# Altium PCB LimeSDR-X3_1v0.PcbDoc (part 19 of 25)
Units mm, origin at the board's own origin, x right, y up, seen from the top; angles counter-clockwise.
Board outline 232.5 x 111.15 mm, 12 copper layers (Top, L2, L3, L4, L5, L6, L7, L8, L9, L10, L11, Bottom), stack 1.596 mm thick; 2057 components, 1391 nets, 8880 pads, 3657 vias.
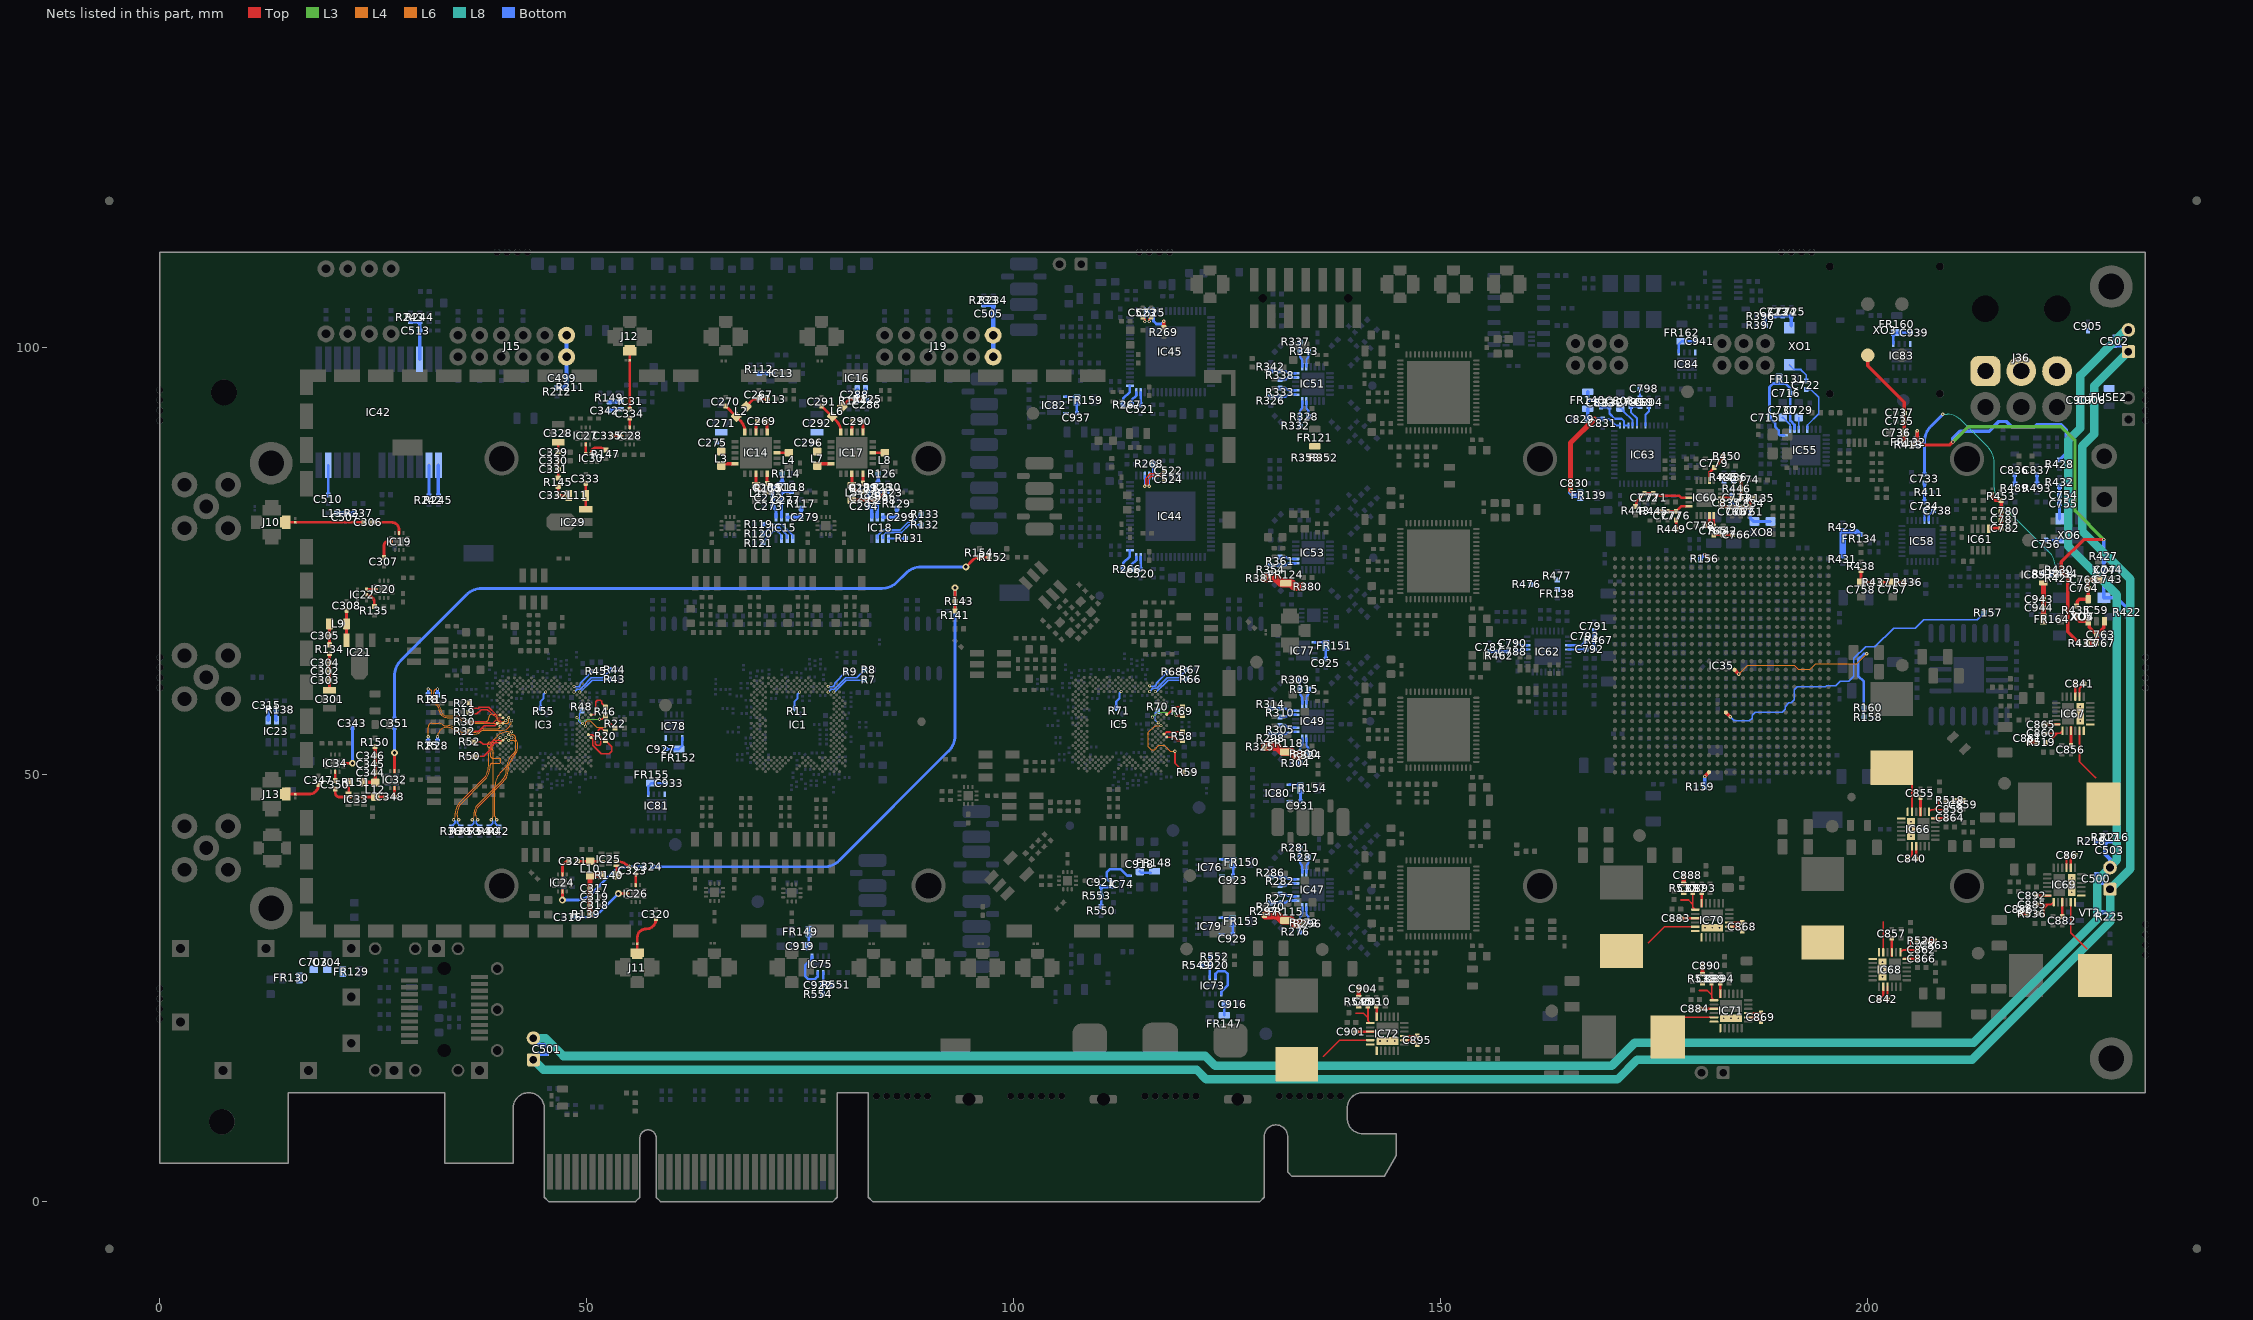
[diagram p29: the nets of this part, all layers, seen from the top]

## Via types
v1: diameter 0.4, hole 0.2, Top to Bottom, tented both sides, 3068 vias
v2: diameter 0.35, hole 0.2, Top to Bottom, tented both sides, 272 vias
v3: diameter 0.5, hole 0.2, Top to Bottom, tented bottom, 196 vias
v4: diameter 0.5, hole 0.2, Top to Bottom, tented both sides, 102 vias
v5: diameter 0.8, hole 0.4, Top to Bottom, tented both sides, 13 vias
v6: diameter 0.4, hole 0.2, Top to Bottom, tented top, 6 vias

## Nets (pads, with @x,y where several pads share a name; then routed paths per layer and width w, separated by ;. In a path a pad name is that pad's centre, name@x,y a point inside that pad or via, vN(x,y) a via of type N, cw(c..) or ccw(c..) an arc to the next point about the centre after c; other vN are vias at no path point) (continued)
NetC267_2: C267.2 L2.1 R113.1 | length 2.8
  Top w0.325: L2.1@68.675,93.132 69.521,93.979 C267.2@70.109,93.979 R113.1@71.159,93.979
NetC268_1: C268.1 IC14.5 | length 0.9
  Top w0.325: C268.1@71.097,84.342 IC14.5@71.097,85.23
NetC268_2: C268.2 IC14.3 L1.2 | length 2.9
  Top w0.325: IC14.3@69.797,85.23 69.797,83.842 70.116,83.524 ccw(c71.097,84.505) C268.2@71.097,83.117
NetC269_1: C269.1 IC14.13 | length 1.3
  Top w0.325: IC14.13@69.797,90.13 69.797,91.018 cw(c70.31,91.018) C269.1@69.947,91.38
NetC269_2: C269.2 IC14.11 | length 1.3
  Top w0.325: C269.2@70.947,91.38 cw(c70.585,91.018) 71.097,91.018 IC14.11@71.097,90.13
NetC270_1: C270.1 IC14.15 L2.2 | length 3.9
  Top w0.325: C270.1@66.247,93.155 L2.2@67.472,91.93 67.997,91.405 cw(c66.79,90.198) 68.497,90.198 IC14.15@68.497,90.13
NetC271_3: C271.3 C275.1 L3.2
  other v1: 65.75,88.655 65.75,89.13
NetC272_2: C272.2 C273.1 IC15.1 R114.1 R115.1 R116.1 | length 5.8
  Bottom w0.4: IC15.1@72.133,80.144 72.133,81.03 C273.1@71.759,81.404 C272.2@71.759,82.404 R115.1@71.759,83.454 72.359,84.054 72.759,84.054 R116.1@72.859,84.154 ; R116.1@72.859,84.351 R114.1@72.859,85.247
NetC277_1: C277.1 IC15.2 R116.2 R118.2 | length 4.1
  Bottom w0.4: IC15.2@72.783,80.144 72.783,83.078 R116.2@72.859,83.154 R118.2@73.959,83.154
NetC279_1: C279.1 IC15.3 IC15.4 R117.2 | length 2.7
  Bottom w0.4: IC15.3@73.433,80.144 IC15.4@74.083,80.144 C279.1@75.07,80.144 R117.2@75.069,81.189
NetC285_2: C285.2 L5.1 R123.1 | length 4.2
  Top w0.325: L5.1@81.024,82.142 C285.2@83.773,82.142 83.866,82.234 83.906,82.275 84.101,82.275 R123.1@84.826,83
NetC286_1: C286.1 IC16.4 | length 1.4
  Bottom w0.4: IC16.4@82.6,95.1 82.6,93.95 C286.1@82.75,93.8
NetC288_2: C288.2 L6.1 R125.1 | length 2.8
  Top w0.325: L6.1@79.901,93.132 80.747,93.979 C288.2@81.335,93.979 R125.1@82.385,93.979
NetC289_1: C289.1 IC17.5 | length 0.9
  Top w0.325: C289.1@82.324,84.342 IC17.5@82.324,85.23
NetC289_2: C289.2 IC17.3 L5.2 | length 2.9
  Top w0.325: IC17.3@81.024,85.23 L5.2@81.024,83.842 81.342,83.524 ccw(c82.324,84.505) C289.2@82.324,83.117
NetC290_1: C290.1 IC17.13 | length 1.3
  Top w0.325: IC17.13@81.024,90.13 81.024,91.018 cw(c81.536,91.018) C290.1@81.174,91.38
NetC290_2: C290.2 IC17.11 | length 1.3
  Top w0.325: C290.2@82.173,91.38 cw(c81.811,91.018) 82.324,91.018 IC17.11@82.324,90.13
NetC291_1: C291.1 IC17.15 L6.2 | length 3.9
  Top w0.325: C291.1@77.474,93.155 L6.2@78.698,91.93 79.224,91.405 cw(c78.016,90.198) 79.723,90.198 IC17.15@79.723,90.13
NetC292_3: C292.3 C296.1 L7.2
  other v1: 76.976,88.655 76.976,89.13
NetC293_2: C293.2 C294.1 IC18.1 R126.1 R127.1 R128.1 | length 5.8
  Bottom w0.4: IC18.1@83.36,80.144 83.36,81.03 C294.1@82.985,81.404 C293.2@82.985,82.404 R127.1@82.985,83.454 83.188,83.454 84.085,84.351 R126.1@84.085,85.248
NetC298_1: C298.1 IC18.2 R128.2 R130.2 | length 4.1
  Bottom w0.4: IC18.2@84.01,80.144 84.01,83.078 R128.2@84.085,83.154 R130.2@85.185,83.154
NetC299_1: C299.1 IC18.3 IC18.4 R129.2 | length 2.7
  Bottom w0.4: IC18.3@84.66,80.144 IC18.4@85.31,80.144 C299.1@86.296,80.144 R129.2@86.296,81.189
NetC301_3: C301.3 C302.1 C303.2 C304.1 R134.1 | length 4.3
  Top w0.4: C301.3@19.854,59.877 C303.2@19.854,61.052 C302.1@19.854,62.101 C304.1@19.854,63.102 R134.1@19.854,64.202
NetC305_1: C305.1 L9.1 R134.2 | length 2.5
  Top w0.4: R134.2@19.854,65.202 L9.1@19.854,67.652
NetC306_1: C306.1 IC19.5 | length 4.1
  Top w0.325: C306.1@24.897,79.548 27.108,79.548 cw(c27.108,78.651) 28.004,78.651 IC19.5@28.004,78.289 IC19.5@28.004,78.164
NetC306_2: C306.2 ESD10.1 J10.1 | length 9.2
  Top w0.325: J10.1@14.696,79.548 J10.1@14.771,79.548 ESD10.1@15.846,79.548 C306.2@23.897,79.548
NetC307_2: C307.2 IC19.8 | length 2.6
  Top w0.325: C307.2@26.229,75.414 26.229,76.827 cw(c26.691,76.827) 26.691,77.289 IC19.8@27.004,77.289 IC19.8@27.129,77.289
NetC308_2: C308.2 IC21.3 L9.2 | length 3.5
  Top w0.325: IC21.3@21.854,65.752 L9.2@21.854,67.652 C308.2@21.854,69.252
NetC315_1: C315.1 IC23.4 | length 1.4
  Bottom w0.4: C315.1@12.523,57.652 C315.1@12.523,57.602 12.675,57.45 IC23.4@12.675,56.362
NetC316_1: C316.1 IC26.8 | length 7.6
  Top w0.325: v5(53.684,36.069) IC26.8@54.709,36.069 IC26.8@54.834,36.069
  Bottom w0.325: C316.1@48.3,33.3 49.863,33.3 ccw(c49.863,35.84) 51.659,34.044 v5(53.684,36.069)
NetC317_1: C317.1 C318.2 C319.1 L10.1 R139.2 R140.2 | length 5.9
  Top w0.6: R139.2@50.377,33.632 50.377,34.682 50.377,35.682 50.377,36.682 L10.1@50.377,38.151 ; L10.1@50.377,38.201 R140.2@51.777,38.201
NetC320_2: C320.2 ESD11.1 J11.1 | length 5.4
  Top w0.325: J11.1@55.892,29.046 J11.1@55.892,29.121 ESD11.1@55.892,30.196 55.892,30.896 cw(c56.922,30.896) 56.922,31.925 ccw(c56.922,33.094) 58.091,33.094 C320.2@58.091,33.157
NetC321_1: C321.1 IC24.2 | length 2.1
  Top w0.325: IC24.2@47.127,38.201 IC24.2@47.127,38.326 47.127,39.101 cw(c47.877,39.101) C321.1@47.877,39.851
NetC321_2: C321.2 IC25.7 L10.2 | length 3.1
  Top w0.325: C321.2@48.877,39.851 L10.2@50.377,39.851 IC25.7@51.677,39.851 IC25.7@51.952,39.851
NetC323_1: C323.1 IC25.2 | length 1.8
  Top w0.325: IC25.2@53.477,39.851 cw(c53.477,37.98) 54.8,39.303 C323.1@55.002,39.101
NetC323_2: C323.2 IC26.5 | length 1.5
  Top w0.325: IC26.5@55.709,36.944 IC26.5@55.709,37.069 C323.2@55.709,38.394
NetC324_1: C324.1 R141.1 R143.2 | length 62.2
  Top w0.325: R141.1@93.1,69.175 v5(93.1,71.882)
  Bottom w0.325: C324.1@57.7,39.2 77.748,39.2 ccw(c77.748,41.74) 79.544,39.944 92.356,52.756 ccw(c90.56,54.552) 93.1,54.552 v5(93.1,71.882)
NetC324_2: C324.2 IC24.8 | length 12.1
  Top w0.325: v5(47.127,35.301) IC24.8@47.127,36.326 IC24.8@47.127,36.451
  Bottom w0.325: v5(47.127,35.301) 48.724,35.301 ccw(c48.724,37.841) 50.52,36.045 52.931,38.456 cw(c54.727,36.66) 54.727,39.2 C324.2@56.7,39.2
NetC328_3: C328.3 C329.2 C330.1 C331.1 R145.1 | length 4.2
  Top w0.325: R145.1@46.636,84.744 C328.3@46.636,88.919
NetC332_1: C332.1 L11.1 R145.2 | length 2.3
  Top w0.325: R145.2@46.636,83.745 C332.1@46.636,82.695 L11.1@47.861,82.695
NetC333_2: C333.2 IC29.3 L11.2 | length 3
  Top w0.325: IC29.3@49.861,81.07 L11.2@49.861,82.695 C333.2@49.861,84.119
NetC334_1: C334.1 IC28.5 | length 1.2
  Top w0.325: IC28.5@55.011,90.545 IC28.5@55.011,90.67 C334.1@55.011,91.745
NetC334_2: C334.2 ESD12.1 J12.1 | length 6.9
  Top w0.325: C334.2@55.021,92.744 ESD12.1@55.021,98.504 J12.1@55.021,99.579 J12.1@55.021,99.654
NetC335_2: C335.2 IC28.8 | length 1.2
  Top w0.325: C335.2@52.936,89.67 IC28.8@54.011,89.67 IC28.8@54.136,89.67
NetC342_1: C342.1 IC31.4 | length 1.4
  Bottom w0.4: C342.1@52.56,92.6 C342.1@52.61,92.6 52.762,92.752 IC31.4@53.85,92.752
NetC343_1: C343.1 IC34.8 | length 5.5
  Top w0.325: IC34.8@21.391,51.332 IC34.8@21.516,51.332 v5(22.541,51.332)
  Bottom w0.325: v5@22.491,51.452 ccw(c22.662,51.452) v5(22.541,51.332) 22.541,51.452 C343.1@22.541,55.525
NetC344_1: C344.1 C345.2 C346.1 L12.1 R150.2 R151.2 | length 5.6
  Top w0.4: R151.2@23.841,49.082 L12.1@25.191,49.082 C345.2@25.191,51.232 C346.1@25.191,52.232 R150.2@25.191,53.282
NetC347_2: C347.2 ESD13.1 J13.1 | length 4.4
  Top w0.325: J13.1@14.771,47.716 ESD13.1@15.846,47.716 17.466,47.716 ccw(c17.466,48.825) C347.2@18.575,48.825
NetC348_1: C348.1 IC32.2 | length 1.1
  Top w0.325: C348.1@27.466,47.382 IC32.2@27.466,48.407 IC32.2@27.466,48.532
NetC348_2: C348.2 IC33.7 L12.2 | length 2.9
  Top w0.325: IC33.7@23.616,47.382 IC33.7@23.891,47.382 L12.2@25.191,47.382 C348.2@26.466,47.382
NetC350_1: C350.1 IC33.2 | length 2.6
  Top w0.325: C350.1@20.516,48.307 20.516,47.882 ccw(c21.016,47.882) 21.016,47.382 IC33.2@22.091,47.382 IC33.2@22.366,47.382
NetC350_2: C350.2 IC34.5 | length 1.1
  Top w0.325: C350.2@20.516,49.307 IC34.5@20.516,50.332 IC34.5@20.516,50.457
NetC351_1: C351.1 R152.1 R154.2 | length 80.5
  Top w0.325: v5(94.375,74.325) 95.175,75.125 cw(c95.959,74.341) R154.2@95.959,75.45 R152.1@97.059,75.45
  Bottom w0.325: C351.1@27.466,56.525 27.466,61.589 cw(c30.006,61.589) 28.21,63.385 35.881,71.056 cw(c37.677,69.26) 37.677,71.8 84.523,71.8 ccw(c84.523,74.34) 86.319,72.544 87.356,73.581 cw(c89.152,71.785) 89.152,74.325 v5(94.375,74.325)
NetC351_2: C351.2 IC32.8 | length 5.2
  Top w0.325: IC32.8@27.466,50.282 IC32.8@27.466,50.407 v5(27.466,52.557)
  Bottom w0.325: v5(27.466,52.557) C351.2@27.466,55.525
NetC499_1: C499.1 J15.6 J15.12 R211.1 R212.2 | length 7.2
  Bottom w0.5: R212.2@46.511,95.35 R211.1@47.611,95.35 C499.1@47.611,96.4 J15.6@47.611,98.904 J15.12@47.611,101.446
NetC500_1: C500.1 C501.1 C502.1 C503.1 J16.2 J17.2 J18.2 R216.1 R217.1 R218.1 | length 278.2
  L8 w1: J16.2@43.725,19.145 45.155,19.145 47.25,17.05 122.4,17.05 123.55,15.9 170,15.9 172.7,18.6 212.375,18.6 226.825,33.05 226.825,37.595 J18.2@228.35,39.12 228.35,39.231 229.125,40.006 229.125,71.075 223.475,76.725 223.475,89.175 224.875,90.575 224.875,96.75 230.193,102.068 J17.2@230.5,102.068
  Bottom w0.5: J16.2@43.736,19.145 44.556,18.325 C501.1@45.314,18.325 ; R218.1@226.725,42.175 R217.1@227.825,42.175 ; C500.1@226.75,38.3 227.507,38.3 228.327,39.12 J18.2@228.35,39.12 228.35,40.125 227.828,40.647 227.828,41.125 C503.1@227.825,41.125 R217.1@227.825,42.175 ; C502.1@228.911,101.248 229.669,101.248 J17.2@230.489,102.068 ; R216.1@228.925,42.175 R217.1@227.825,42.175
NetC500_2: C500.2 C501.2 C502.2 J16.1 J17.1 J18.1 R225.2 VT2.D | length 275.2
  L8 w1: J16.1@43.725,16.605 44.88,15.45 121.375,15.45 122.525,14.3 170.663,14.3 172.963,16.6 212.2,16.6 228.35,32.75 J18.1@228.35,36.58 230.725,38.955 230.725,72.888 225.075,78.538 225.075,88.45 226.475,89.85 226.475,95.503 J17.1@230.5,99.528
  Bottom w0.5: J16.1@43.714,16.605 44.434,17.325 C501.2@45.314,17.325 ; C500.2@226.75,37.3 227.63,37.3 J18.1@228.35,36.58 R225.2@228.35,33.85 VT2.D@227.1,33.85 ; C502.2@228.911,100.248 229.791,100.248 J17.1@230.511,99.528
NetC505_1: C505.1 J19.6 J19.12 R233.1 R234.2 | length 7.2
  Bottom w0.5: R233.1@96.47,105.02 R234.2@97.57,105.02 C505.1@97.57,103.97 J19.12@97.57,101.446 J19.6@97.57,98.923
NetC507_2: C507.2 L13.2 R237.2 | length 2.1
  Bottom w0.4: L13.2@20.7,80.625 C507.2@21.725,80.625 R237.2@22.775,80.625
NetC510_2: C510.2 IC42.11 | length 3.5
  Bottom w0.325: C510.2@19.7,82.725 IC42.11@19.7,86.225
NetC513_1: C513.1 IC42.22 R243.1 R244.1 | length 5.5
  Bottom w0.4: R243.1@29.325,103.05 R244.1@30.425,103.05 30.425,98.65 IC42.22@30.4,98.625
NetC520_2: C520.2 IC44.16 | length 1.5
  Bottom w0.3: C520.2@114.827,74.027 IC44.16@114.828,75.503
NetC521_2: C521.2 IC45.16 | length 1.5
  Bottom w0.3: C521.2@114.827,93.302 IC45.16@114.828,94.778
NetC522_1: C522.1 IC44.37 | length 4.8
  Top w0.2: v1(115.328,83.778) 115.425,83.875 115.425,84.675 115.971,85.221 117.306,85.221 C522.1@117.65,85.564
  Bottom w0.254: v1(115.328,83.778) IC44.37@115.328,85.003
NetC523_1: C523.1 IC45.37 | length 1.9
  Top w0.25: C523.1@115.078,103.603 115.328,103.353 v1(115.328,103.053)
  Bottom w0.254: v1(115.328,103.053) IC45.37@115.328,104.278
NetC524_1: C524.1 IC44.38 | length 4.3
  Top w0.2: v1(115.828,83.778) 115.725,83.881 115.725,84.551 116.095,84.921 117.306,84.921 C524.1@117.65,84.577
  Bottom w0.254: v1(115.828,83.778) IC44.38@115.828,85.003
NetC525_1: C525.1 IC45.38 | length 1.9
  Top w0.25: v1(115.828,103.053) 115.828,103.353 C525.1@116.078,103.603
  Bottom w0.254: v1(115.828,103.053) IC45.38@115.828,104.278
NetC703_2: C703.2 C704.2 FR129.2 FR130.1
NetC715_2: C715.2 C716.2 FR131.2 IC55.16 IC55.18 | length 14.3
  Bottom w0.3: C715.2@188.475,91.8 188.475,95.375 188.9,95.8 190.325,95.8 190.925,95.2 C716.2@190.925,94.65 190.925,91.438 191.4,90.963 IC55.18@191.4,90.425 ; C715.2@188.625,91.65 189.125,91.15 189.125,90.75 189.55,90.325 189.55,89.901 189.726,89.725 IC55.16@190.2,89.725
NetC722_1: C722.1 IC55.21 | length 6.1
  Bottom w0.2: C722.1@192.775,95.1 193.3,95.1 194.225,94.175 194.225,92.25 192.918,90.943 192.918,90.443 IC55.21@192.9,90.425
NetC722_2: C722.2 XO1.3 | length 3.2
  Bottom w0.2: XO1.3@190.775,98 191.35,97.425 192.15,97.425 192.775,96.8 C722.2@192.775,96.1
NetC723_2: C723.2 C724.2 C725.1 R396.2 R397.1 XO1.4 | length 5.3
  Bottom w0.4: R397.1@187.975,102.6 R396.2@187.975,103.7 C723.2@189.025,103.7 C724.2@190.025,103.7 C725.1@191.025,103.7 XO1.4@191.025,102.55
NetC729_1: C729.1 IC55.19 | length 1.4
  Bottom w0.2: IC55.19@191.9,90.425 C729.1@191.9,91.825
NetC730_2: C730.2 IC55.17 | length 1.8
  Bottom w0.2: C730.2@190,91.825 190.043,91.825 190.9,90.968 IC55.17@190.9,90.425
NetC733_1: C733.1 C734.2 R411.2 | length 2.2
  Bottom w0.325: C734.2@206.625,81.95 C733.1@206.625,84.15
NetC733_2: C733.2 R412.1 R425.1 R430.2 R434.1 | length 33.4
  L8 w0.1: v1(208.775,92.2) 209.298,92.2 cw(c209.298,90.022) 210.839,91.561 214.031,88.369 cw(c212.235,86.573) 214.775,86.573 214.775,83.577 ccw(c217.315,83.577) 215.519,81.781 221.181,76.119 cw(c219.385,74.323) 221.925,74.323 v1(221.925,73.5)
  Bottom w0.325: C733.2@206.625,85.15 206.625,88.998 cw(c209.165,88.998) 207.369,90.794 v1(208.775,92.2) ; R412.1@221.425,73.5 v1(221.925,73.5) R425.1@222.425,73.5
NetC734_1: C734.1 IC58.13 | length 1.2
  Bottom w0.25: IC58.13@206.625,79.75 C734.1@206.625,80.95
NetC735_2: C735.2 C736.2 C737.1 R413.2 XO3.4 | length 12.2
  Top w0.4: XO3.4@199.975,99.1 199.975,97.9 204.25,93.625 C737.1@204.25,92.35 C735.2@204.25,91.35 C736.2@204.25,90.05 R413.2@204.25,88.65
NetC738_2: C738.2 IC58.14 | length 1.4
  Bottom w0.25: IC58.14@207.125,79.75 207.125,80.35 207.5,80.725 207.5,80.775 207.625,80.9 C738.2@207.675,80.9
NetC743_2: C743.2 C744.2 R422.2 R427.1 XO4.5 XO5.4 | length 7.6
  Bottom w0.4: R427.1@227.626,75.046 C744.2@227.626,73.996 C743.2@227.626,72.849 XO5.4@227.626,70.7 229.15,70.7 R422.2@230.35,69.5
NetC754_2: C754.2 C755.2 R432.2 XO6.9 | length 3.8
  Bottom w0.4: XO6.9@222.436,79.96 C755.2@222.436,81.71 C754.2@222.436,82.71 R432.2@222.436,83.76
NetC756_2: C756.2 XO6.7 | length 1.7
  Bottom w0.325: C756.2@220.875,77.45 XO6.7@222.596,77.45
NetC757_1: C757.1 R436.2 R437.1 | length 2.7
  Top w0.325: R437.1@201.55,72.525 C757.1@202.9,72.525 R436.2@204.225,72.525
NetC758_1: C758.1 R437.2 R438.2 | length 2.7
  Top w0.325: R438.2@199.2,73.9 C758.1@199.2,72.525 R437.2@200.55,72.525
NetC760_2: C760.2 C761.1 C762.1 FR135.2 IC60.6 IC60.7 | length 5
  Top w0.3: IC60.7@182.85,81.9 IC60.6@182.85,81.4 184,81.4 C760.2@184.1,81.3 C762.1@185.1,81.3 C761.1@186.1,81.3 186.1,81.35 186.2,81.45 186.2,82.1 FR135.2@186.475,82.375
NetC763_2: C763.2 C767.2 IC59.1 IC59.3 R433.2 R435.2 | length 8
  Top w0.4: R435.2@224.402,68.777 224.502,68.677 224.502,68.202 224.767,67.937 IC59.1@225.8,67.937 225.9,67.837 225.9,67.254 226.677,66.477 226.677,66.427 226.727,66.377 C763.2@226.777,66.377 ; R433.2@225.727,65.377 C767.2@226.777,65.377 C763.2@226.777,66.377 ; IC59.3@227.7,67.937 227.616,67.853 227.616,67.216 226.877,66.477 226.877,66.427 226.827,66.377 C763.2@226.777,66.377
NetC764_2: C764.2 C768.2 IC59.5 R435.1 XO7.4 | length 5.5
  Top w0.4: R435.1@224.402,69.697 224.502,69.797 224.502,70.272 224.767,70.537 IC59.5@225.8,70.537 225.8,71.827 225.8,72.825 C768.2@225.802,72.827 XO7.4@227.027,72.827
NetC765_1: C765.1 IC60.5 | length 1.3
  Top w0.3: C765.1@181.95,79.075 IC60.5@181.95,80.35
NetC765_2: C765.2 C766.1 R442.2 | length 2.2
  Top w0.3: C765.2@181.95,78.075 C766.1@184.15,78.075
NetC771_2: C771.2 C772.1 IC60.18 R443.1 | length 7.4
  Top w0.3: R443.1@172.786,81.415 172.862,81.491 172.862,81.941 173.686,82.765 173.736,82.765 173.836,82.865 C772.1@173.836,82.915 C771.2@174.861,82.915 174.861,82.865 174.961,82.765 175.011,82.765 175.101,82.675 177.876,82.675 178.151,82.4 IC60.18@179.05,82.4
NetC773_1: C773.1 C774.2 R446.2 | length 2.2
  Top w0.325: C773.1@185.15,82.4 R446.2@185.15,83.45 ; R446.2@185.15,83.5 R446.2@185.15,83.45 ; C774.2@185.15,84.5 R446.2@185.15,83.45
NetC773_2: C773.2 IC60.8 | length 1.3
  Top w0.3: IC60.8@182.85,82.4 C773.2@184.15,82.4
NetC776_1: C776.1 R449.2 | length 1.1
  Top w0.3: R449.2@177.536,78.715 C776.1@177.536,79.815
NetC776_2: C776.2 C777.2 IC60.20 R445.1 | length 3.8
  Top w0.3: C776.2@177.536,80.815 177.536,80.865 177.636,80.965 177.686,80.965 178.121,81.4 IC60.20@179.05,81.4
  Top w0.325: R445.1@175.486,80.815 C777.2@176.536,80.815 C776.2@177.536,80.815
NetC778_1: C778.1 IC60.4 | length 1.5
  Top w0.3: C778.1@180.9,79.125 180.95,79.125 181.05,79.225 181.05,79.275 181.45,79.675 IC60.4@181.45,80.35
NetC779_2: C779.2 IC60.12 R450.2 | length 3.3
  Top w0.3: IC60.12@181.45,84.45 181.45,85.4 C779.2@181.85,85.8 ; C779.2@182,85.95 182,86 182.1,86.1 182.15,86.1 182.9,86.85 182.9,87.1 R450.2@183.05,87.25
NetC780_2: C780.2 C781.1 C782.1 FR136.1 IC61.1 R453.2 | length 6.5
  Top w0.3: FR136.1@214.525,82.925 214.525,82.45 214.875,82.1 R453.2@215.599,82.1
  Top w0.4: IC61.1@214.15,78.79 214.15,78.825 C782.1@215.599,78.825 C781.1@215.599,79.825 C780.2@215.599,80.825 R453.2@215.599,82.1
NetC787_1: C787.1 C788.2 R462.2 | length 2.2
  Bottom w0.325: C787.1@155.697,64.4 R462.2@156.8,64.4 C788.2@157.904,64.4
NetC788_1: C788.1 IC62.13 | length 1.3
  Bottom w0.25: C788.1@158.904,64.4 cw(c159.506,63.798) 159.506,64.65 IC62.13@160.1,64.65
NetC790_2: C790.2 IC62.14 | length 1.3
  Bottom w0.25: C790.2@158.904,65.4 ccw(c159.506,66.002) 159.506,65.15 IC62.14@160.1,65.15
NetC791_1: C791.1 C792.2 R467.2 | length 2.2
  Bottom w0.4: C792.2@167.95,64.65 R467.2@167.95,65.75 C791.1@167.95,66.85
NetC792_1: C792.1 IC62.28 | length 2
  Bottom w0.25: IC62.28@164.9,64.65 C792.1@166.95,64.65
NetC793_2: C793.2 IC62.27 | length 2.3
  Bottom w0.25: IC62.27@164.9,65.15 166.45,65.15 166.775,65.475 166.775,65.525 166.9,65.65 C793.2@166.95,65.65
NetC798_1: C798.1 R469.2 | length 1.1
  Bottom w0.25: R469.2@173.295,94.089 C798.1@173.295,95.189
NetC799_1: C799.1 IC63.41 R469.1 | length 3.6
  Bottom w0.25: IC63.41@172.95,90.875 172.95,91.724 172.235,92.439 C799.1@172.235,93.089 R469.1@173.295,93.089
NetC803_1: C803.1 IC63.40 | length 2.7
  Bottom w0.25: C803.1@170.985,92.939 171.035,92.939 171.36,92.614 171.36,92.564 172.45,91.474 IC63.40@172.45,90.875
NetC804_1: C804.1 IC63.43 | length 2.4
  Bottom w0.25: IC63.43@173.95,90.875 173.95,92.129 174.345,92.524 C804.1@174.345,93.089
NetC829_1: C829.1 C830.1 C831.2 FR139.2 FR140.1 IC63.37 | length 17.1
  Top w0.6: v1(165.185,83.3) 165.185,88.849 v1(167.975,91.639)
  Bottom w0.25: C831.2@168.935,91.639 169.71,91.639 170.474,90.875 IC63.37@170.95,90.875
  Bottom w0.4: FR140.1@167.185,92.839 167.185,91.639 v1(167.975,91.639) C831.2@168.935,91.639
  Bottom w0.6: C830.1@165.185,84.122 C830.1@165.185,84.114 v1(165.185,83.3) 165.185,83.065 165.536,82.714 FR139.2@166.31,82.714
NetC832_2: C832.2 C833.2 FR140.2 IC63.38 IC63.39 | length 7.6
  Bottom w0.25: C832.2@169.735,93.064 169.735,92.289 170.36,91.664 171.16,91.664 171.45,91.374 IC63.38@171.45,90.875 IC63.39@171.95,90.875
  Bottom w0.4: FR140.2@167.185,94.839 167.185,94.039 167.385,93.839 167.96,93.839 C833.2@168.735,93.064 C832.2@169.735,93.064
NetC834_2: C834.2 C835.2 FR141.2 XO8.1 XO8.6 | length 7.2
  Bottom w0.4: FR141.2@183.975,82.825 C835.2@183.975,81.825 184.475,81.325 186.075,81.325 186.225,81.175 186.225,80.04 186.625,79.64 XO8.6@186.725,79.64 XO8.1@188.575,79.64
NetC836_2: C836.2 R489.2 | length 1.1
  Bottom w0.325: R489.2@217.2,84.025 C836.2@217.2,85.125
NetC837_2: C837.2 R493.2 | length 1.1
  Bottom w0.325: R493.2@219.8,84.025 C837.2@219.8,85.125
NetC840_1: C840.1 IC66.15 | length 1.5
  Top w0.25: C840.1@205.65,40.125 IC66.15@205.65,41.625
NetC840_2: C840.2 IC66.5 IC66.6 IC66.7 IC66.14 IC66.26 L14.1 | length 8
  Top w0.2: L14.1@203.275,51.1 205.15,49.225 IC66.5@205.15,45.625
  Top w0.25: C840.2@204.65,40.125 205.15,40.625 IC66.14@205.15,41.625
  other v4: 205.05,42.775 205.05,43.625 205.05,44.475
NetC841_1: C841.1 IC67.15 | length 1.5
  Top w0.25: IC67.15@224.275,59.125 C841.1@224.275,60.625
NetC841_2: C841.2 IC67.5 IC67.6 IC67.7 IC67.14 IC67.26 L15.1 | length 8
  Top w0.2: IC67.5@224.775,55.125 224.775,51.525 226.65,49.65
  Top w0.25: IC67.14@224.775,59.125 224.775,60.125 C841.2@225.275,60.625
  other v4: 224.875,56.275 224.875,57.125 224.875,57.975
NetC842_1: C842.1 IC68.15 | length 1.5
  Top w0.25: C842.1@202.3,23.675 IC68.15@202.3,25.175
NetC842_2: C842.2 IC68.5 IC68.6 IC68.7 IC68.14 IC68.26 L16.1 | length 5.3
  Top w0.2: IC68.5@201.8,29.175 201.8,32.775
  Top w0.25: C842.2@201.3,23.675 201.8,24.175 IC68.14@201.8,25.175
  other v4: 201.7,26.325 201.7,27.175 201.7,28.025
NetC855_1: C855.1 IC66.3 | length 2.1
  Top w0.309: IC66.3@206.15,45.225 C855.1@206.15,47.325
NetC856_1: C856.1 IC67.3 | length 2.1
  Top w0.309: C856.1@223.775,53.425 IC67.3@223.775,55.525
NetC857_1: C857.1 IC68.3 | length 2.1
  Top w0.309: IC68.3@202.8,28.775 C857.1@202.8,30.875